# Altium PCB Core.PcbDoc (part 1 of 3) (continued)
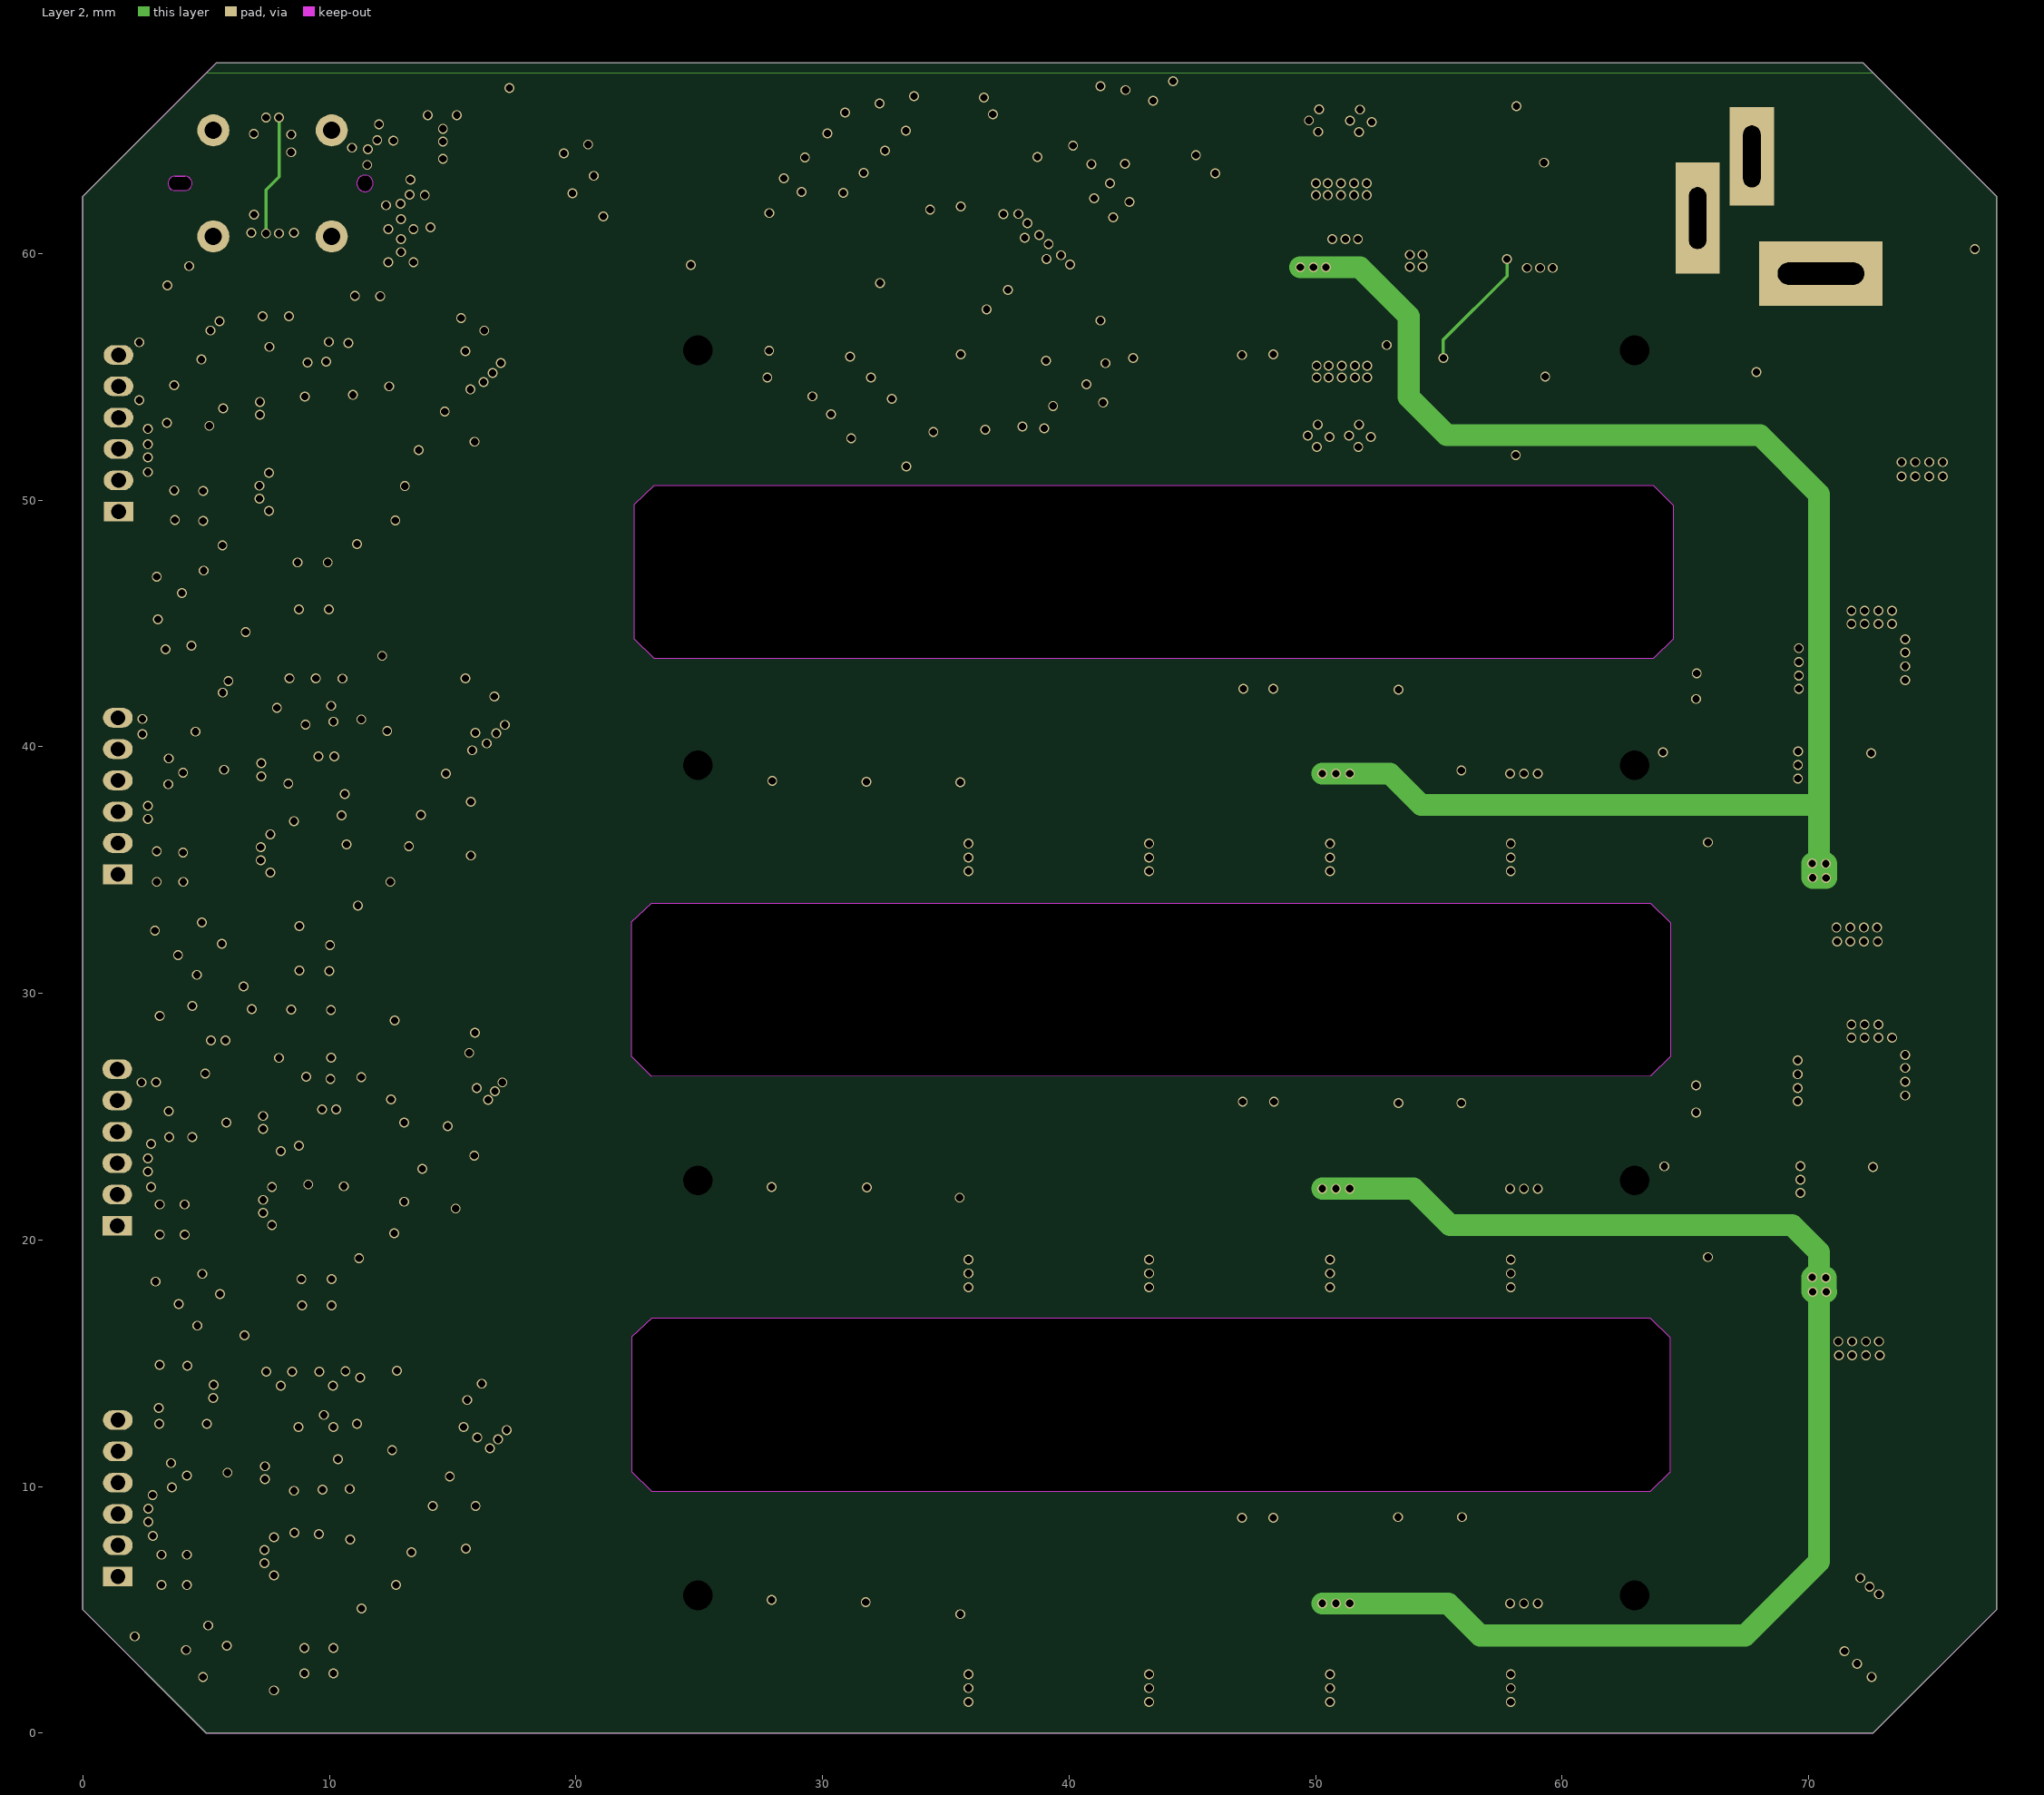
[diagram p3: Layer 2]
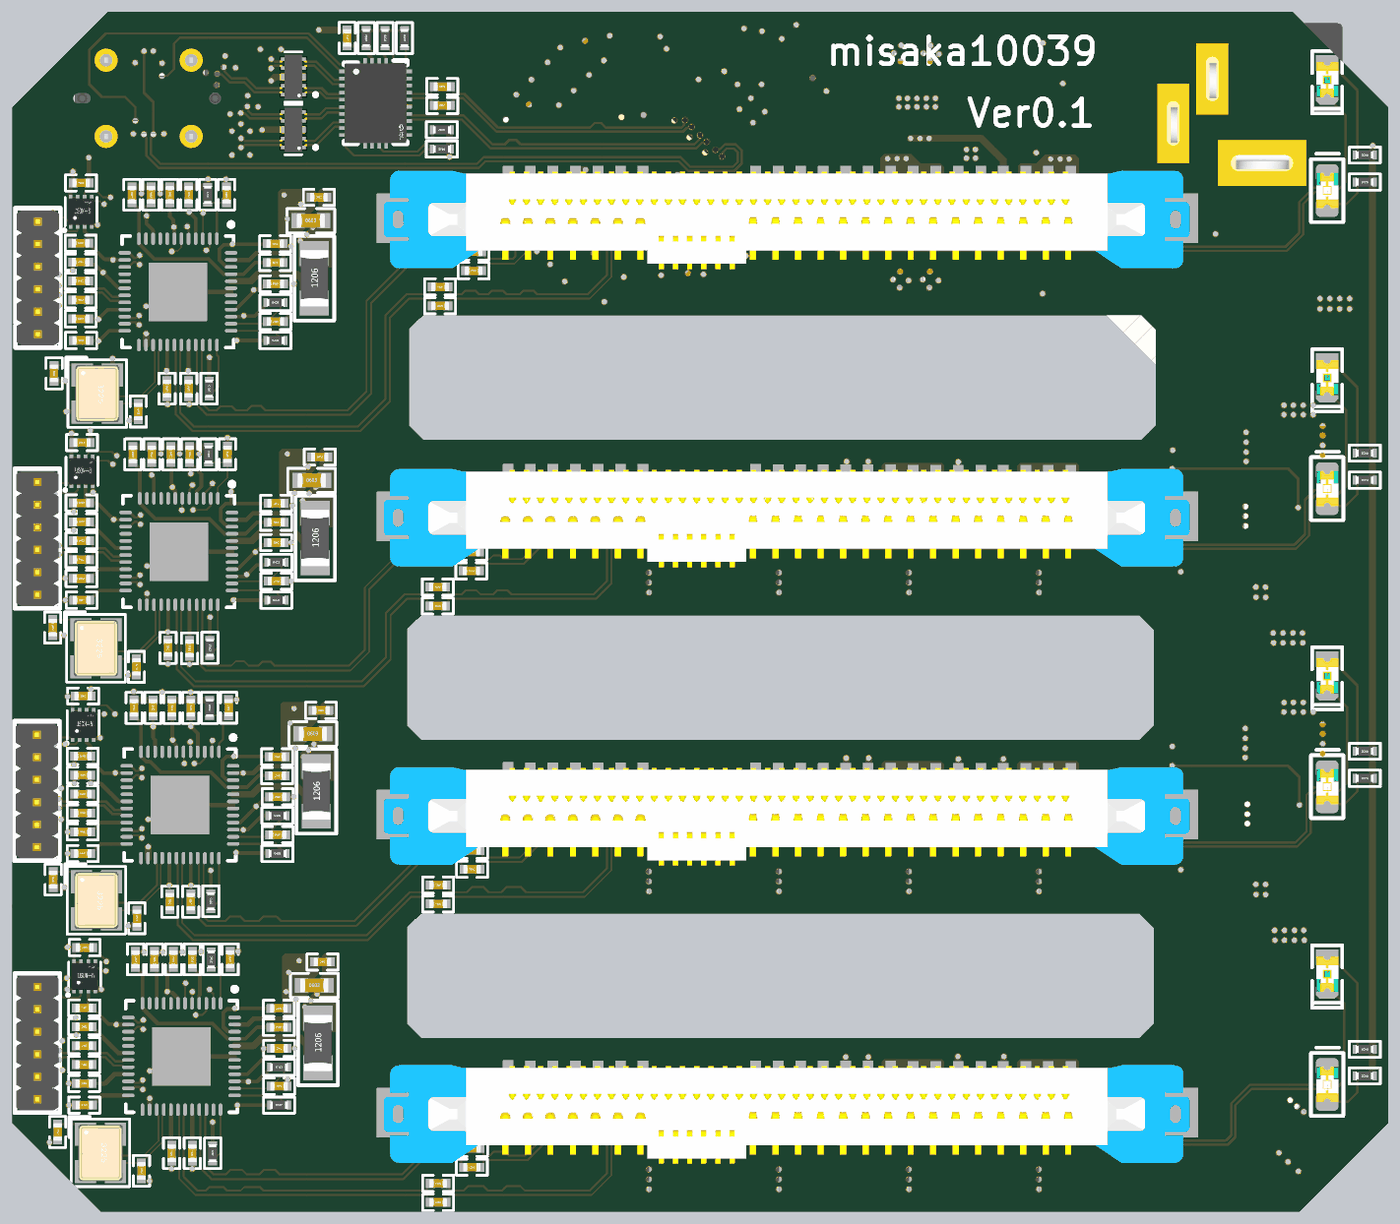
[diagram p6: 3D render of the assembled board from above, using the file's embedded part models]
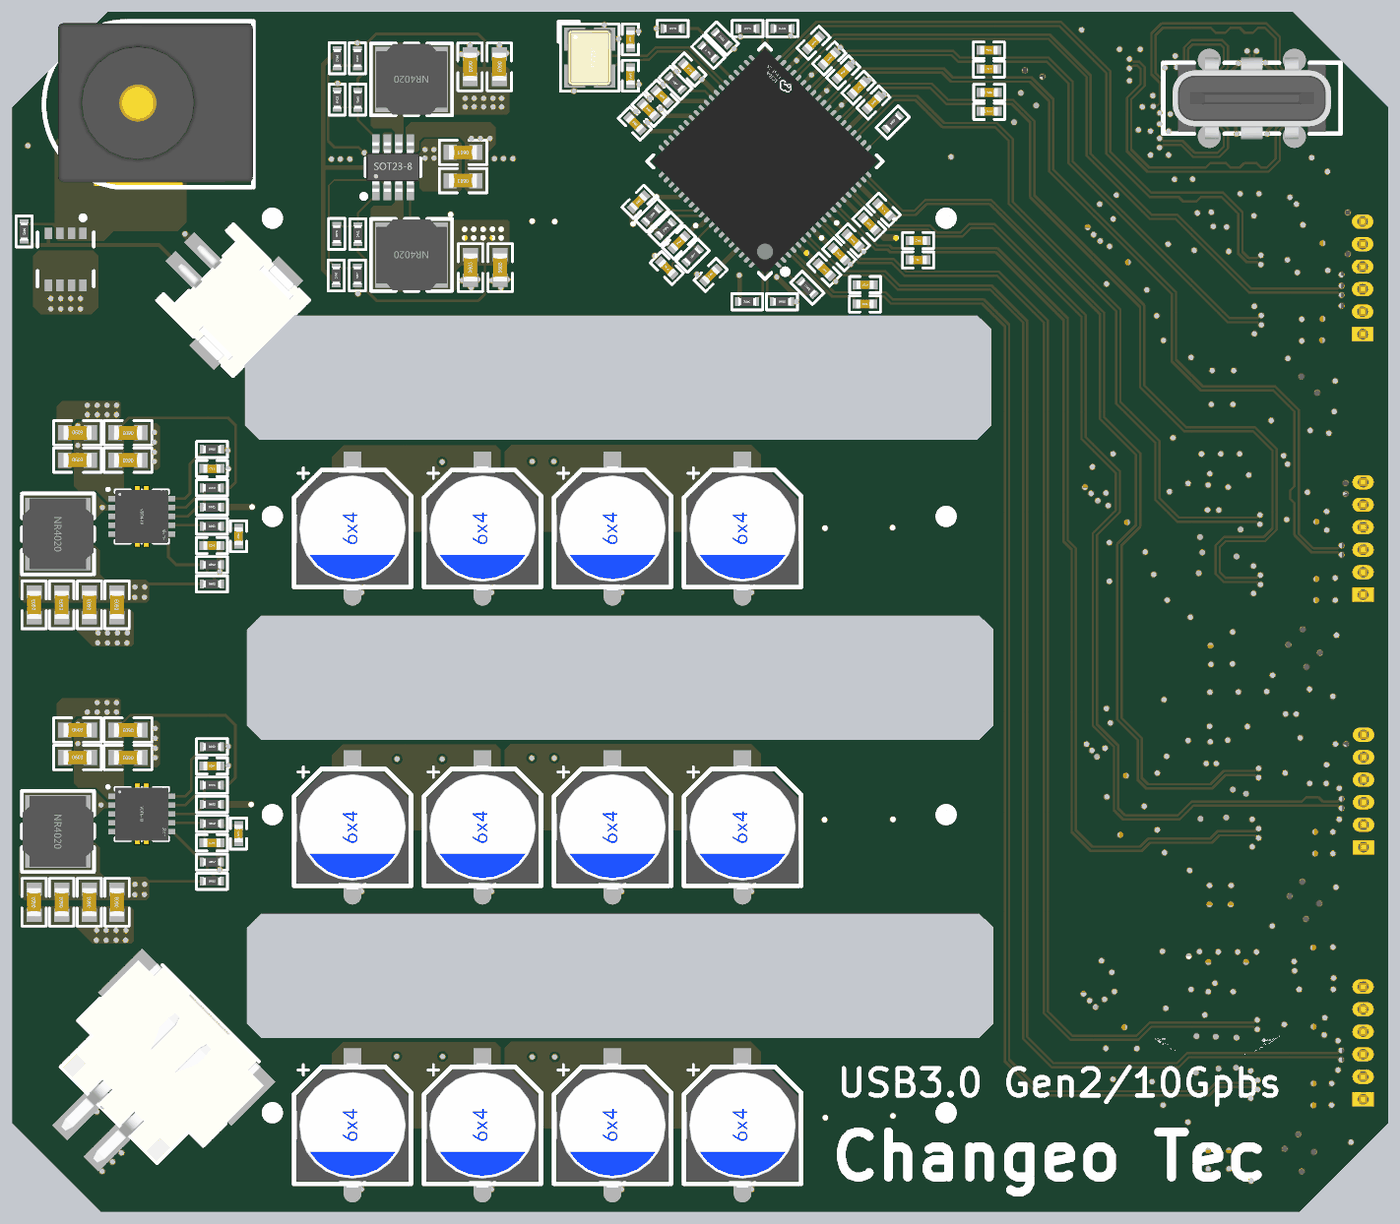
[diagram p7: 3D render of the assembled board from below, using the file's embedded part models]

## Layer stack, top to bottom
Top Solder: solder mask 0.0102, Solder Resist, Dk 3.5
Top Layer: signal copper 0.035
Dielectric 2: prepreg 0.0994, PP-006, Dk 4.1
Layer 1: signal copper 0.0152
Dielectric 1: dielectric 1.265, FR-4, Dk 4.8
Layer 2: signal copper 0.0152
Dielectric 3: prepreg 0.0994, PP-006, Dk 4.1
Bottom Layer: signal copper 0.035
Bottom Solder: solder mask 0.0102, Solder Resist, Dk 3.5

## Board outline
5.006,0.006 0.006,5.006 0.008,62.314 5.413,67.719 5.42,67.719 5.417,67.719 21.908,67.719 72.209,67.719 77.609,62.319 77.607,5.006 72.607,0.006
cut-out: 23.064,26.631 22.264,27.431 22.266,32.894 23.066,33.659 63.583,33.659 64.383,32.859 64.381,27.438 63.581,26.638
cut-out: 23.174,43.575 22.374,44.368 22.376,49.831 23.176,50.597 63.692,50.597 64.492,49.797 64.491,44.368 63.691,43.575
cut-out: 22.264,10.601 23.064,9.808 63.581,9.808 64.381,10.608 64.383,16.029 63.583,16.829 23.066,16.829 22.266,16.064

## Design rules (kind name [scope] priority, off if disabled: settings)
Clearance [All] p1: gap=0.102 ignorepadtopadclearanceinfootprint=FALSE except(0: Arc-Text Arc-Hole Track-Text Track-Hole SMDPad-Text SMDPad-Hole THPad-Text THPad-Hole Via-Text Via-Hole Fill-Text Fill-Hole Poly-Text Poly-Hole Region-Text Region-Hole Text-Text Text-Hole; 0.127: Arc-Via Track-Via Via-Via; 0.152: SMDPad-Via THPad-Via; 0.254: THPad-THPad)
ComponentClearance [All] p1: gap=0 collisioncheckmode=3 verticalgap=0 showdistances=FALSE
DiffPairsRouting "Schematic Differential Pairs Routing_1" [InNetClass('SATA')] p1: maxlimit=0.152 minlimit=0.152 mostfreqgap=0.152 toplayer_minwidth=0.109 toplayer_maxwidth=0.109 toplayer_prefwidth=0.109 midlayer1_minwidth=0.109 midlayer1_maxwidth=0.109 midlayer1_prefwidth=0.109 midlayer2_minwidth=0.109 midlayer2_maxwidth=0.109 midlayer2_prefwidth=0.109 bottomlayer_minwidth=0.109 bottomlayer_maxwidth=0.109 bottomlayer_prefwidth=0.109 maxuncoupledlength=12.7
DiffPairsRouting "Schematic Differential Pairs Routing_46" [InNetClass('USB')] p2: maxlimit=0.102 minlimit=0.102 mostfreqgap=0.102 toplayer_minwidth=0.131 toplayer_maxwidth=0.131 toplayer_prefwidth=0.131 midlayer1_minwidth=0.131 midlayer1_maxwidth=0.131 midlayer1_prefwidth=0.131 midlayer2_minwidth=0.131 midlayer2_maxwidth=0.131 midlayer2_prefwidth=0.131 bottomlayer_minwidth=0.131 bottomlayer_maxwidth=0.131 bottomlayer_prefwidth=0.131 maxuncoupledlength=12.7
DiffPairsRouting [All] p3: maxlimit=0.254 minlimit=0.254 mostfreqgap=0.254 toplayer_minwidth=0.381 toplayer_maxwidth=0.381 toplayer_prefwidth=0.381 midlayer1_minwidth=0.381 midlayer1_maxwidth=0.381 midlayer1_prefwidth=0.381 midlayer2_minwidth=0.381 midlayer2_maxwidth=0.381 midlayer2_prefwidth=0.381 bottomlayer_minwidth=0.381 bottomlayer_maxwidth=0.381 bottomlayer_prefwidth=0.381 maxuncoupledlength=12.7
MinimumSolderMaskSliver [All] p1: minsoldermaskwidth=0
NetAntennae [All] p1 off: netantennaetolerance=0.1
PlaneClearance [All] p1: clearance=0.203
PlaneConnect [All] p1: planeconnectstyle=Direct reliefexpansion=0.508 reliefentries=4 reliefconductorwidth=0.254 reliefairgap=0.254
PolygonConnect [All] p1: connectstyle=Direct reliefconductorwidth=0.254 reliefentries=4 polygonreliefangle="90 Angle" airgapwidth=0.254
RoutingVias [All] p1: holewidth=0.3 width=0.4 viastyle="Through Hole" minholewidth=0.3 minwidth=0.4 maxholewidth=0.5 maxwidth=0.6
SilkToSolderMaskClearance [IsPad] p1: minsilkscreentomaskgap=0 clearancetoexposedcopper=TRUE
SolderMaskExpansion [IsVia] p1: expansion=0.102 istentingtop=TRUE
Width "Schematic Width Constraint" [InNet('VCC5V-A')] p1: maxlimit=1.27 minlimit=0.152 preferedwidth=0.254 toplayer_prefwidth=0.203 bottomlayer_prefwidth=0.203 minimp=50.000000 maximp=50.000000 favimp=50.000000
Width [All] p2: maxlimit=2.54 minlimit=0.051 preferedwidth=0.102
23 further rules are at their usual default settings.

## Classes and differential pairs
net class PWR: GND VBUS VCC1V0 VCC1V2-A VCC1V2-B VCC1V2-C VCC1V2-D VCC3V3 VCC3V3-A VCC3V3-B VCC3V3-C VCC3V3-D VCC5V-A VCC5V-B VCC12V VIN
net class USB: cap_IN_SSRX1_N cap_IN_SSRX1_P cap_IN_SSRX2_N cap_IN_SSRX2_P cap_IN_SSTX1_N cap_IN_SSTX1_P cap_IN_SSTX2_N cap_IN_SSTX2_P cap_SSRX1_N cap_SSRX1_P cap_SSRX2_N cap_SSRX2_P cap_SSRX3_N cap_SSRX3_P cap_SSRX4_N cap_SSRX4_P cap_SSTX1_N cap_SSTX1_P cap_SSTX2_N cap_SSTX2_P cap_SSTX3_N cap_SSTX3_P cap_SSTX4_N cap_SSTX4_P cap_SSTX_N cap_SSTX_P HSD1_N HSD1_P HSD2_N HSD2_P HSD3_N HSD3_P HSD4_N HSD4_P IN_CC1 IN_CC2 IN_SSRX1_N IN_SSRX1_P IN_SSRX2_N IN_SSRX2_P IN_SSTX1_N IN_SSTX1_P IN_SSTX2_N IN_SSTX2_P SSRX1_N SSRX1_P SSRX2_N SSRX2_P SSRX3_N SSRX3_P SSRX4_N SSRX4_P SSRX_N SSRX_P SSTX1_N SSTX1_P SSTX2_N SSTX2_P SSTX3_N SSTX3_P SSTX4_N SSTX4_P SSTX_N SSTX_P USBD_N USBD_P
net class Sata: cap_RX1_N cap_RX1_P cap_RX2_N cap_RX2_P cap_RX3_N cap_RX3_P cap_RX4_N cap_RX4_P cap_TX1_N cap_TX1_P cap_TX2_N cap_TX2_P cap_TX3_N cap_TX3_P cap_TX4_N cap_TX4_P RX1_N RX1_P RX2_N RX2_P RX3_N RX3_P RX4_N RX4_P TX1_N TX1_P TX2_N TX2_P TX3_N TX3_P TX4_N TX4_P
component class Vl822: C129 C131 C132 C133 C134 C135 C136 C137 C138 C139 C140 C141 C142 C143 C144 C145 C146 C147 C148 C149 C150 C151 C152 C153 C154 C155 C156 C157 C158 C159 C160 R38 R39 R40 R41 R42 R43 R44 R45 R46 R47 R48 R49 R50 R51 R52 R53 R54 R55 U12 U13 U14 U15 Y5
component class Pwr: C101 C102 C103 C104 C105 C106 C107 C108 C109 C110 C111 C112 C113 C114 C115 C116 C117 C118 C119 C120 C121 C122 C123 C124 C125 C126 C127 C128 E1 E2 E3 E4 E5 E6 E7 E8 E9 E10 E11 E12 JP1 JP2 L5 L6 L7 L8 Q1 R17 R18 R19 R20 R21 R22 R23 R24 R25 R26 R27 R28 R29 R30 R31 R32 R33 R34 R35 R36 R37 U9 U10 U11
component class jms578: 33 C17 C18 C19 C20 C21 C22 C23 C24 C25 C26 C27 C28 C29 C30 C31 C32 C33 C34 C35 C36 C37 C38 C39 C40 C41 C42 C43 C44 C45 C46 C47 C48 C49 C50 C51 C52 C53 C54 C55 C56 C57 C58 C59 C60 C61 C62 C63 C64 C65 C66 C67 C68 C69 C70 C71 C72 C73 C74 C75 C76 C77 C78 C79 C80 C81 C82 C83 C84 C85 C86 C87 C88 C89 C90 C91 C92 C93 C94 C95 C96 C97 C98 C99 C100 C161 C162 C163 C164 JP3 JP4 JP5 JP6 L1 L2 L3 L4 R1 R2 R3 R4 R5 R6 R7 R8 R9 R10 R11 R12 R13 R14 R15 R16 U1 U2 U3 U5 U6 U7 U8 Y1 Y2 Y3 Y4
component class Connector: C1 C2 C3 C4 C5 C6 C7 C8 C9 C10 C11 C12 C13 C14 C15 C16 CON1 J1 J2 J3 J4 J5 LED1 LED2 LED3 LED4 LED5 LED6 LED7 LED8 R56 R57 R58 R59 R60 R61 R62 R63
differential pair cap_SSRX2: +cap_SSRX2_P -cap_SSRX2_N
differential pair cap_SSTX: +cap_SSTX_P -cap_SSTX_N
differential pair cap_IN_SSTX2: +cap_IN_SSTX2_P -cap_IN_SSTX2_N
differential pair cap_IN_SSTX1: +cap_IN_SSTX1_P -cap_IN_SSTX1_N
differential pair cap_IN_SSRX2: +cap_IN_SSRX2_P -cap_IN_SSRX2_N
differential pair cap_IN_SSRX1: +cap_IN_SSRX1_P -cap_IN_SSRX1_N
differential pair cap_SSRX4: +cap_SSRX1_P -cap_SSRX1_N
differential pair cap_SSRX3: +cap_SSRX3_P -cap_SSRX3_N
differential pair cap_SSRX1: +cap_SSRX4_P -cap_SSRX4_N
differential pair SSTX4: +SSTX4_P -SSTX4_N
differential pair SSTX3: +SSTX3_P -SSTX3_N
differential pair SSTX2: +SSTX2_P -SSTX2_N
differential pair SSTX1: +SSTX1_P -SSTX1_N
differential pair SSRX4: +SSRX4_P -SSRX4_N
differential pair SSRX3: +SSRX3_P -SSRX3_N
differential pair SSRX2: +SSRX2_P -SSRX2_N
differential pair SSRX1: +SSRX1_P -SSRX1_N
differential pair HSD4: +HSD4_P -HSD4_N
differential pair HSD3: +HSD3_P -HSD3_N
differential pair HSD2: +HSD2_P -HSD2_N
differential pair HSD1: +HSD1_P -HSD1_N
differential pair cap_SSTX4: +cap_SSTX4_P -cap_SSTX4_N
differential pair cap_SSTX3: +cap_SSTX3_P -cap_SSTX3_N
differential pair cap_SSTX2: +cap_SSTX2_P -cap_SSTX2_N
differential pair cap_SSTX1: +cap_SSTX1_P -cap_SSTX1_N
differential pair SSTX: +SSTX_P -SSTX_N
differential pair SSRX: +SSRX_P -SSRX_N
differential pair cap_TX2: +cap_TX2_P -cap_TX2_N
differential pair USBD: +USBD_P -USBD_N
differential pair IN_SSTX2: +IN_SSTX2_P -IN_SSTX2_N
differential pair IN_SSTX1: +IN_SSTX1_P -IN_SSTX1_N
differential pair IN_SSRX2: +IN_SSRX2_P -IN_SSRX2_N
differential pair IN_SSRX1: +IN_SSRX1_P -IN_SSRX1_N
differential pair cap_TX4: +cap_TX4_P -cap_TX4_N
differential pair cap_TX3: +cap_TX3_P -cap_TX3_N
differential pair cap_TX1: +cap_TX1_P -cap_TX1_N
differential pair cap_RX4: +cap_RX4_P -cap_RX4_N
differential pair cap_RX3: +cap_RX3_P -cap_RX3_N
differential pair cap_RX2: +cap_RX2_P -cap_RX2_N
differential pair cap_RX1: +cap_RX1_P -cap_RX1_N
differential pair TX4: +TX4_P -TX4_N
differential pair TX3: +TX3_P -TX3_N
differential pair TX2: +TX2_P -TX2_N
differential pair TX1: +TX1_P -TX1_N
differential pair RX4: +RX4_P -RX4_N
differential pair RX3: +RX3_P -RX3_N
differential pair RX2: +RX2_P -RX2_N
differential pair RX1: +RX1_P -RX1_N

## Components (designator, comment, footprint, x,y, rotation, side; value= is the part's Value field where it differs from the comment)
33 "P25Q21H" USON-8_L1.5-W1.5-P0.40-BL-EP 3.937,41.783 r0 top (schematic designator U4)
C1 "10nF 6.3V" C0402_L 25.933,3.581 r180 top
C2 "10nF 6.3V" C0402_L 25.933,20.396 r180 top
C3 "10nF 6.3V" C0402_L 25.926,2.515 r180 top
C4 "10nF 6.3V" C0402_L 25.933,19.329 r180 top
C5 "10nF 6.3V" C0402_L 24.028,1.6 r180 top
C6 "10nF 6.3V" C0402_L 24.028,18.44 r180 top
C7 "10nF 6.3V" C0402_L 24.028,0.533 r180 top
C8 "10nF 6.3V" C0402_L 24.028,17.374 r180 top
C9 "10nF 6.3V" C0402_L 25.901,37.236 r180 top
C10 "10nF 6.3V" C0402_L 26.028,54.178 r180 top
C11 "10nF 6.3V" C0402_L 25.901,36.17 r180 top
C12 "10nF 6.3V" C0402_L 26.028,53.111 r180 top
C13 "10nF 6.3V" C0402_L 24.003,35.255 r180 top
C14 "10nF 6.3V" C0402_L 24.137,52.197 r180 top
C15 "10nF 6.3V" C0402_L 24.003,34.188 r180 top
C16 "10nF 6.3V" C0402_L 24.137,51.13 r180 top
C17 "1uF 10V" C0402_L 14.852,50.241 r180 top
C18 "1uF 10V" C0402_L 14.903,35.585 r180 top
C19 "10uF 6.3V" C0603_L 16.84,55.931 r0 top
C20 "100nF 6.3V" C0402_L 17.297,57.252 r0 top
C21 "10uF 6.3V" C0603_L 16.891,41.275 r0 top
C22 "100nF 6.3V" C0402_L 17.348,42.596 r0 top
C23 "1uF 10V" C0402_L 12.09,57.397 r90 top
C24 "1uF 10V" C0402_L 12.141,42.748 r90 top
C25 "100nF 6.3V" C0402_L 3.886,49.174 r0 top
C26 "100nF 6.3V" C0402_L 8.738,46.457 r90 top
C27 "100nF 6.3V" C0402_L 9.957,57.397 r270 top
C28 "100nF 6.3V" C0402_L 3.861,50.394 r0 top
C29 "100nF 6.3V" C0402_L 7.823,57.397 r270 top
C30 "100nF 6.3V" C0402_L 3.861,53.594 r0 top
C31 "100nF 6.3V" C0402_L 9.957,46.457 r90 top
C32 "100nF 6.3V" C0402_L 14.852,52.375 r180 top
C33 "100nF 6.3V" C0402_L 3.919,34.519 r0 top
C34 "100nF 6.3V" C0402_L 7.874,42.741 r270 top
C35 "100nF 6.3V" C0402_L 3.912,38.938 r0 top
C36 "100nF 6.3V" C0402_L 3.912,35.738 r0 top
C37 "100nF 6.3V" C0402_L 14.884,37.77 r180 top
C38 "100nF 6.3V" C0402_L 10.008,31.801 r90 top
C39 "100nF 6.3V" C0402_L 10.008,42.741 r270 top
C40 "100nF 6.3V" C0402_L 8.788,31.826 r90 top
C41 "100nF 6.3V" C0402_L 6.756,57.397 r270 top
C42 "100nF 6.3V" C0402_L 14.834,53.569 r180 top
C43 "100nF 6.3V" C0402_L 3.861,54.661 r0 top
C44 "100nF 6.3V" C0402_L 14.834,54.635 r180 top
C45 "100nF 6.3V" C0402_L 8.89,57.397 r270 top
C46 "100nF 6.3V" C0402_L 6.807,42.741 r270 top
C47 "100nF 6.3V" C0402_L 14.884,38.913 r180 top
C48 "100nF 6.3V" C0402_L 3.912,40.005 r0 top
C49 "100nF 6.3V" C0402_L 8.941,42.741 r270 top
C50 "100nF 6.3V" C0402_L 14.884,39.98 r180 top
C51 "100nF 6.3V" C0402_L 3.861,52.527 r0 top
C52 "100nF 6.3V" C0402_L 3.912,37.871 r0 top
C53 "100nF 6.3V" C0402_L 3.861,51.46 r0 top
C54 "100nF 6.3V" C0402_L 3.912,36.805 r0 top
C55 "33pF/16V" C0402_L 2.362,47.32 r270 top
C56 "33pF/16V" C0402_L 7.112,45.161 r270 top
C57 "33pF/16V" C0402_L 2.286,32.969 r270 top
C58 "33pF/16V" C0402_L 7.01,30.752 r270 top
C59 "1uF 10V" C0402_L 14.967,21.285 r180 top
C60 "1uF 10V" C0402_L 15.055,7.087 r180 top
C61 "10uF 6.3V" C0603_L 16.956,26.975 r0 top
C62 "100nF 6.3V" C0402_L 17.413,28.296 r0 top
C63 "10uF 6.3V" C0603_L 17.043,12.776 r0 top
C64 "100nF 6.3V" C0402_L 17.501,14.097 r0 top
C65 "1uF 10V" C0402_L 12.206,28.448 r90 top
C66 "1uF 10V" C0402_L 12.294,14.249 r90 top
C67 "100nF 6.3V" C0402_L 3.976,21.438 r0 top
C68 "100nF 6.3V" C0402_L 10.072,17.501 r90 top
C69 "100nF 6.3V" C0402_L 3.976,24.638 r0 top
C70 "100nF 6.3V" C0402_L 14.967,23.419 r180 top
C71 "100nF 6.3V" C0402_L 7.939,28.441 r270 top
C72 "100nF 6.3V" C0402_L 10.072,28.441 r270 top
C73 "100nF 6.3V" C0402_L 3.983,20.218 r0 top
C74 "100nF 6.3V" C0402_L 8.892,17.501 r90 top
C75 "100nF 6.3V" C0402_L 15.055,9.22 r180 top
C76 "100nF 6.3V" C0402_L 4.064,7.239 r0 top
C77 "100nF 6.3V" C0402_L 10.16,14.242 r270 top
C78 "100nF 6.3V" C0402_L 8.026,14.242 r270 top
C79 "100nF 6.3V" C0402_L 8.992,3.302 r90 top
C80 "100nF 6.3V" C0402_L 10.16,3.302 r90 top
C81 "100nF 6.3V" C0402_L 4.064,10.439 r0 top
C82 "100nF 6.3V" C0402_L 4.071,6.02 r0 top
C83 "100nF 6.3V" C0402_L 14.949,24.613 r180 top
C84 "100nF 6.3V" C0402_L 6.872,28.441 r270 top
C85 "100nF 6.3V" C0402_L 4.002,29.108 r180 top
C86 "100nF 6.3V" C0402_L 9.005,28.441 r270 top
C87 "100nF 6.3V" C0402_L 3.976,25.705 r0 top
C88 "100nF 6.3V" C0402_L 6.96,14.242 r270 top
C89 "100nF 6.3V" C0402_L 15.037,10.414 r180 top
C90 "100nF 6.3V" C0402_L 15.037,11.481 r180 top
C91 "100nF 6.3V" C0402_L 4.064,11.506 r0 top
C92 "100nF 6.3V" C0402_L 9.093,14.242 r270 top
C93 "100nF 6.3V" C0402_L 3.976,23.571 r0 top
C94 "100nF 6.3V" C0402_L 4.064,9.373 r0 top
C95 "100nF 6.3V" C0402_L 3.976,22.504 r0 top
C96 "100nF 6.3V" C0402_L 4.064,8.306 r0 top
C97 "33pF/16V" C0402_L 2.311,18.745 r270 top
C98 "33pF/16V" C0402_L 7.036,16.561 r270 top
C99 "33pF/16V" C0402_L 2.565,4.503 r270 top
C100 "33pF/16V" C0402_L 7.29,2.311 r270 top
C101 "100nF/25V" C0402_L 66.35,25.162 r0 bottom
C102 "10uF/25V" C0603_L 73.927,27.187 r180 bottom
C103 "10uF/25V" C0603_L 71.082,27.187 r0 bottom
C104 "1uF/25V" C0603_L 73.927,25.638 r180 bottom
C105 "3.3nF/25V" C0603_L 71.082,25.638 r0 bottom
C106 "22uF/16V" C0603_L 71.706,17.47 r90 bottom
C107 "22uF/16V" C0603_L 73.264,17.47 r90 bottom
C108 "22uF/16V" C0603_L 74.821,17.47 r90 bottom
C109 "22uF/16V" C0603_L 76.379,17.47 r90 bottom
C110 "68pF/25V" C0402_L 66.35,20.822 r0 bottom
C111 "560pF/25V" C0402_L 64.848,21.345 r90 bottom
C112 "100nF/25V" C0402_L 66.348,41.943 r0 bottom
C113 "10uF/25V" C0603_L 73.926,43.967 r180 bottom
C114 "10uF/25V" C0603_L 71.081,43.967 r0 bottom
C115 "1uF/25V" C0603_L 73.926,42.418 r180 bottom
C116 "3.3nF/25V" C0603_L 71.081,42.418 r0 bottom
C117 "22uF/16V" C0603_L 76.378,34.251 r90 bottom
C118 "22uF/16V" C0603_L 73.262,34.251 r90 bottom
C119 "22uF/16V" C0603_L 71.704,34.251 r90 bottom
C120 "22uF/16V" C0603_L 74.82,34.251 r90 bottom
C121 "68pF/25V" C0402_L 66.348,37.603 r0 bottom
C122 "560pF/25V" C0402_L 64.846,38.125 r90 bottom
C123 "22uF 10V" C0603_L 52.183,58.191 r0 bottom
C124 "22uF 10V" C0603_L 52.183,59.792 r0 bottom
C125 "4.7uF 6.3V" C0603_L 50.14,64.618 r270 bottom
C126 "22uF 6.3V" C0603_L 51.791,64.618 r270 bottom
C127 "22uF 6.3V" C0603_L 51.765,53.289 r90 bottom
C128 "4.7uF 6.3V" C0603_L 50.089,53.289 r90 bottom
C129 "100nF 10V" C0402_L 18.898,66.243 r270 top
C131 "100nF 6.3V" C0402_L 40.691,53.264 r45 bottom
C132 "100nF 6.3V" C0402_L 29.515,51.232 r0 bottom
C133 "100nF 6.3V" C0402_L 29.508,52.324 r0 bottom
C134 "100nF 6.3V" C0402_L 24.257,62.433 r0 top
C135 "100nF 6.3V" C0402_L 24.257,63.5 r0 top
C136 "100nF 6.3V" C0402_L 26.525,53.721 r0 bottom
C137 "100nF 6.3V" C0402_L 26.518,54.813 r0 bottom
C138 "100nF 6.3V" C0402_L 22.504,62.103 r0 bottom
C139 "100nF 6.3V" C0402_L 22.504,63.17 r0 bottom
C140 "100nF 6.3V" C0402_L 22.53,64.491 r0 bottom
C141 "100nF 6.3V" C0402_L 22.53,65.557 r0 bottom
C142 "22pF/16V" C0402_L 42.748,66.167 r90 bottom
C143 "22pF/16V" C0402_L 42.748,64.11 r270 bottom
C144 "100nF 6.3V" C0402_L 39.421,64.465 r225 bottom
C145 "100nF 6.3V" C0402_L 42.291,56.998 r135 bottom
C146 "100nF 6.3V" C0402_L 29.044,62.599 r315 bottom
C147 "100nF 6.3V" C0402_L 28.46,56.552 r45 bottom
C148 "100nF 6.3V" C0402_L 38.215,52.869 r135 bottom
C149 "100nF 6.3V" C0402_L 30.975,54.038 r45 bottom
C150 "100nF 6.3V" C0402_L 30.746,64.301 r315 bottom
C151 "100nF 6.3V" C0402_L 31.533,65.088 r315 bottom
C152 "100nF 6.3V" C0402_L 29.882,63.437 r315 bottom
C153 "100nF 6.3V" C0402_L 29.273,55.74 r45 bottom
C154 "100nF 6.3V" C0402_L 30.187,54.825 r45 bottom